# KiCad board panel.opm-lowside.kicad_pcb (continued)
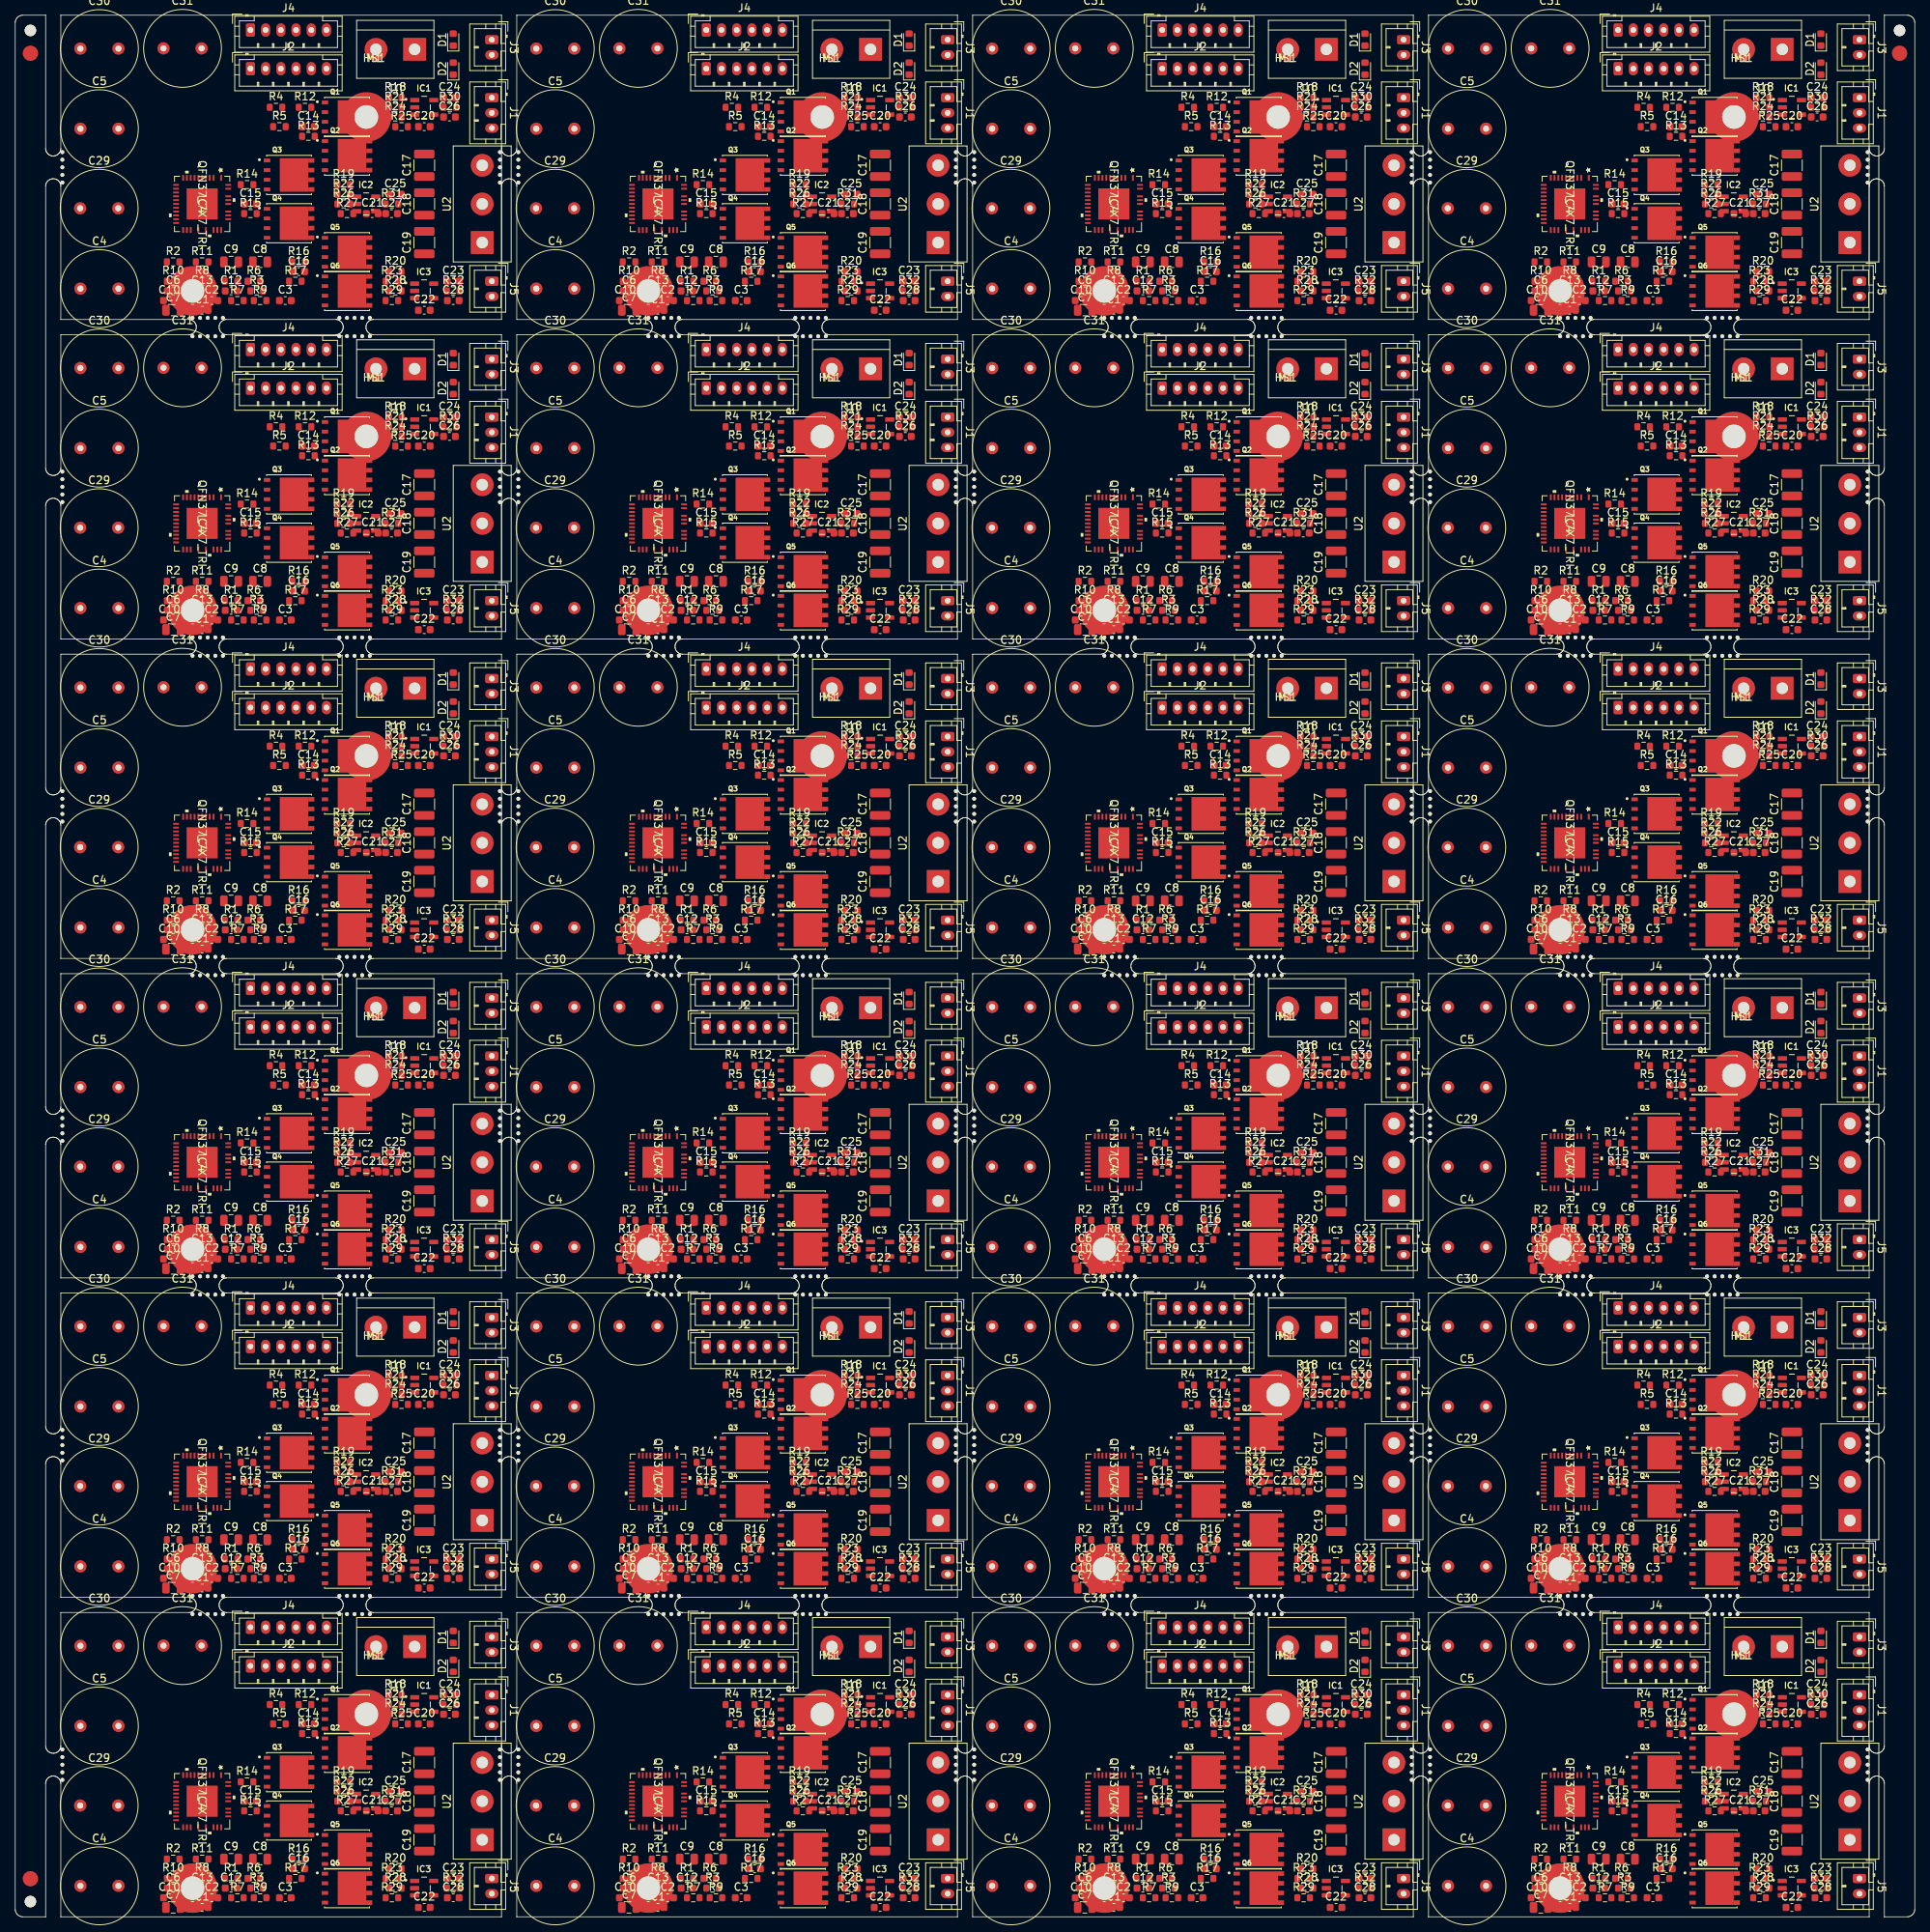
[diagram p0: board, top side]
## Placement (name value [footprint] x y rotation side) (continued)
HS1#23  Heatsink  [Heatsink_30x30mm_2xFixation3mm]  139.4 -0.04 0 top
HS1#24  Heatsink  [Heatsink_30x30mm_2xFixation3mm]  199.35 -0.04 0 top
IC1  INA180A3IDBVR  [SOT95P280X145-5N]  53.79 237.85 0 top
IC1#2  INA180A3IDBVR  [SOT95P280X145-5N]  113.74 237.85 0 top
IC1#3  INA180A3IDBVR  [SOT95P280X145-5N]  173.69 237.85 0 top
IC1#4  INA180A3IDBVR  [SOT95P280X145-5N]  233.64 237.85 0 top
IC1#5  INA180A3IDBVR  [SOT95P280X145-5N]  53.79 195.86 0 top
IC1#6  INA180A3IDBVR  [SOT95P280X145-5N]  113.74 195.86 0 top
IC1#7  INA180A3IDBVR  [SOT95P280X145-5N]  173.69 195.86 0 top
IC1#8  INA180A3IDBVR  [SOT95P280X145-5N]  233.64 195.86 0 top
IC1#9  INA180A3IDBVR  [SOT95P280X145-5N]  53.79 153.87 0 top
IC1#10  INA180A3IDBVR  [SOT95P280X145-5N]  113.74 153.87 0 top
IC1#11  INA180A3IDBVR  [SOT95P280X145-5N]  173.69 153.87 0 top
IC1#12  INA180A3IDBVR  [SOT95P280X145-5N]  233.64 153.87 0 top
IC1#13  INA180A3IDBVR  [SOT95P280X145-5N]  53.79 111.88 0 top
IC1#14  INA180A3IDBVR  [SOT95P280X145-5N]  113.74 111.88 0 top
IC1#15  INA180A3IDBVR  [SOT95P280X145-5N]  173.69 111.88 0 top
IC1#16  INA180A3IDBVR  [SOT95P280X145-5N]  233.64 111.88 0 top
IC1#17  INA180A3IDBVR  [SOT95P280X145-5N]  53.79 69.89 0 top
IC1#18  INA180A3IDBVR  [SOT95P280X145-5N]  113.74 69.89 0 top
IC1#19  INA180A3IDBVR  [SOT95P280X145-5N]  173.69 69.89 0 top
IC1#20  INA180A3IDBVR  [SOT95P280X145-5N]  233.64 69.89 0 top
IC1#21  INA180A3IDBVR  [SOT95P280X145-5N]  53.79 27.9 0 top
IC1#22  INA180A3IDBVR  [SOT95P280X145-5N]  113.74 27.9 0 top
IC1#23  INA180A3IDBVR  [SOT95P280X145-5N]  173.69 27.9 0 top
IC1#24  INA180A3IDBVR  [SOT95P280X145-5N]  233.64 27.9 0 top
IC2  INA180A3IDBVR  [SOT95P280X145-5N]  46.16 225.15 0 top
IC2#2  INA180A3IDBVR  [SOT95P280X145-5N]  106.11 225.15 0 top
IC2#3  INA180A3IDBVR  [SOT95P280X145-5N]  166.06 225.15 0 top
IC2#4  INA180A3IDBVR  [SOT95P280X145-5N]  226.01 225.15 0 top
IC2#5  INA180A3IDBVR  [SOT95P280X145-5N]  46.16 183.16 0 top
IC2#6  INA180A3IDBVR  [SOT95P280X145-5N]  106.11 183.16 0 top
IC2#7  INA180A3IDBVR  [SOT95P280X145-5N]  166.06 183.16 0 top
IC2#8  INA180A3IDBVR  [SOT95P280X145-5N]  226.01 183.16 0 top
IC2#9  INA180A3IDBVR  [SOT95P280X145-5N]  46.16 141.17 0 top
IC2#10  INA180A3IDBVR  [SOT95P280X145-5N]  106.11 141.17 0 top
IC2#11  INA180A3IDBVR  [SOT95P280X145-5N]  166.06 141.17 0 top
IC2#12  INA180A3IDBVR  [SOT95P280X145-5N]  226.01 141.17 0 top
IC2#13  INA180A3IDBVR  [SOT95P280X145-5N]  46.16 99.18 0 top
IC2#14  INA180A3IDBVR  [SOT95P280X145-5N]  106.11 99.18 0 top
IC2#15  INA180A3IDBVR  [SOT95P280X145-5N]  166.06 99.18 0 top
IC2#16  INA180A3IDBVR  [SOT95P280X145-5N]  226.01 99.18 0 top
IC2#17  INA180A3IDBVR  [SOT95P280X145-5N]  46.16 57.19 0 top
IC2#18  INA180A3IDBVR  [SOT95P280X145-5N]  106.11 57.19 0 top
IC2#19  INA180A3IDBVR  [SOT95P280X145-5N]  166.06 57.19 0 top
IC2#20  INA180A3IDBVR  [SOT95P280X145-5N]  226.01 57.19 0 top
IC2#21  INA180A3IDBVR  [SOT95P280X145-5N]  46.16 15.2 0 top
IC2#22  INA180A3IDBVR  [SOT95P280X145-5N]  106.11 15.2 0 top
IC2#23  INA180A3IDBVR  [SOT95P280X145-5N]  166.06 15.2 0 top
IC2#24  INA180A3IDBVR  [SOT95P280X145-5N]  226.01 15.2 0 top
IC3  INA180A3IDBVR  [SOT95P280X145-5N]  53.78 213.72 0 top
IC3#2  INA180A3IDBVR  [SOT95P280X145-5N]  113.73 213.72 0 top
IC3#3  INA180A3IDBVR  [SOT95P280X145-5N]  173.68 213.72 0 top
IC3#4  INA180A3IDBVR  [SOT95P280X145-5N]  233.63 213.72 0 top
IC3#5  INA180A3IDBVR  [SOT95P280X145-5N]  53.78 171.73 0 top
IC3#6  INA180A3IDBVR  [SOT95P280X145-5N]  113.73 171.73 0 top
IC3#7  INA180A3IDBVR  [SOT95P280X145-5N]  173.68 171.73 0 top
IC3#8  INA180A3IDBVR  [SOT95P280X145-5N]  233.63 171.73 0 top
IC3#9  INA180A3IDBVR  [SOT95P280X145-5N]  53.78 129.74 0 top
IC3#10  INA180A3IDBVR  [SOT95P280X145-5N]  113.73 129.74 0 top
IC3#11  INA180A3IDBVR  [SOT95P280X145-5N]  173.68 129.74 0 top
IC3#12  INA180A3IDBVR  [SOT95P280X145-5N]  233.63 129.74 0 top
IC3#13  INA180A3IDBVR  [SOT95P280X145-5N]  53.78 87.75 0 top
IC3#14  INA180A3IDBVR  [SOT95P280X145-5N]  113.73 87.75 0 top
IC3#15  INA180A3IDBVR  [SOT95P280X145-5N]  173.68 87.75 0 top
IC3#16  INA180A3IDBVR  [SOT95P280X145-5N]  233.63 87.75 0 top
IC3#17  INA180A3IDBVR  [SOT95P280X145-5N]  53.78 45.76 0 top
IC3#18  INA180A3IDBVR  [SOT95P280X145-5N]  113.73 45.76 0 top
IC3#19  INA180A3IDBVR  [SOT95P280X145-5N]  173.68 45.76 0 top
IC3#20  INA180A3IDBVR  [SOT95P280X145-5N]  233.63 45.76 0 top
IC3#21  INA180A3IDBVR  [SOT95P280X145-5N]  53.78 3.77 0 top
IC3#22  INA180A3IDBVR  [SOT95P280X145-5N]  113.73 3.77 0 top
IC3#23  INA180A3IDBVR  [SOT95P280X145-5N]  173.68 3.77 0 top
IC3#24  INA180A3IDBVR  [SOT95P280X145-5N]  233.63 3.77 0 top
IC4  QFN37_7X7_TRI  [TMC6100-LA]  24.58 225.15 270 top
IC4#2  QFN37_7X7_TRI  [TMC6100-LA]  84.53 225.15 270 top
IC4#3  QFN37_7X7_TRI  [TMC6100-LA]  144.48 225.15 270 top
IC4#4  QFN37_7X7_TRI  [TMC6100-LA]  204.43 225.15 270 top
IC4#5  QFN37_7X7_TRI  [TMC6100-LA]  24.58 183.16 270 top
IC4#6  QFN37_7X7_TRI  [TMC6100-LA]  84.53 183.16 270 top
IC4#7  QFN37_7X7_TRI  [TMC6100-LA]  144.48 183.16 270 top
IC4#8  QFN37_7X7_TRI  [TMC6100-LA]  204.43 183.16 270 top
IC4#9  QFN37_7X7_TRI  [TMC6100-LA]  24.58 141.17 270 top
IC4#10  QFN37_7X7_TRI  [TMC6100-LA]  84.53 141.17 270 top
IC4#11  QFN37_7X7_TRI  [TMC6100-LA]  144.48 141.17 270 top
IC4#12  QFN37_7X7_TRI  [TMC6100-LA]  204.43 141.17 270 top
IC4#13  QFN37_7X7_TRI  [TMC6100-LA]  24.58 99.18 270 top
IC4#14  QFN37_7X7_TRI  [TMC6100-LA]  84.53 99.18 270 top
IC4#15  QFN37_7X7_TRI  [TMC6100-LA]  144.48 99.18 270 top
IC4#16  QFN37_7X7_TRI  [TMC6100-LA]  204.43 99.18 270 top
IC4#17  QFN37_7X7_TRI  [TMC6100-LA]  24.58 57.19 270 top
IC4#18  QFN37_7X7_TRI  [TMC6100-LA]  84.53 57.19 270 top
IC4#19  QFN37_7X7_TRI  [TMC6100-LA]  144.48 57.19 270 top
IC4#20  QFN37_7X7_TRI  [TMC6100-LA]  204.43 57.19 270 top
IC4#21  QFN37_7X7_TRI  [TMC6100-LA]  24.58 15.2 270 top
IC4#22  QFN37_7X7_TRI  [TMC6100-LA]  84.53 15.2 270 top
IC4#23  QFN37_7X7_TRI  [TMC6100-LA]  144.48 15.2 270 top
IC4#24  QFN37_7X7_TRI  [TMC6100-LA]  204.43 15.2 270 top
J1  Current Sensing  [JST_PH_B3B-PH-K_1x03_P2.00mm_Vertical]  62.68 239.12 270 top
J1#2  Current Sensing  [JST_PH_B3B-PH-K_1x03_P2.00mm_Vertical]  122.63 239.12 270 top
J1#3  Current Sensing  [JST_PH_B3B-PH-K_1x03_P2.00mm_Vertical]  182.58 239.12 270 top
J1#4  Current Sensing  [JST_PH_B3B-PH-K_1x03_P2.00mm_Vertical]  242.53 239.12 270 top
J1#5  Current Sensing  [JST_PH_B3B-PH-K_1x03_P2.00mm_Vertical]  62.68 197.13 270 top
J1#6  Current Sensing  [JST_PH_B3B-PH-K_1x03_P2.00mm_Vertical]  122.63 197.13 270 top
J1#7  Current Sensing  [JST_PH_B3B-PH-K_1x03_P2.00mm_Vertical]  182.58 197.13 270 top
J1#8  Current Sensing  [JST_PH_B3B-PH-K_1x03_P2.00mm_Vertical]  242.53 197.13 270 top
J1#9  Current Sensing  [JST_PH_B3B-PH-K_1x03_P2.00mm_Vertical]  62.68 155.14 270 top
J1#10  Current Sensing  [JST_PH_B3B-PH-K_1x03_P2.00mm_Vertical]  122.63 155.14 270 top
J1#11  Current Sensing  [JST_PH_B3B-PH-K_1x03_P2.00mm_Vertical]  182.58 155.14 270 top
J1#12  Current Sensing  [JST_PH_B3B-PH-K_1x03_P2.00mm_Vertical]  242.53 155.14 270 top
J1#13  Current Sensing  [JST_PH_B3B-PH-K_1x03_P2.00mm_Vertical]  62.68 113.15 270 top
J1#14  Current Sensing  [JST_PH_B3B-PH-K_1x03_P2.00mm_Vertical]  122.63 113.15 270 top
J1#15  Current Sensing  [JST_PH_B3B-PH-K_1x03_P2.00mm_Vertical]  182.58 113.15 270 top
J1#16  Current Sensing  [JST_PH_B3B-PH-K_1x03_P2.00mm_Vertical]  242.53 113.15 270 top
J1#17  Current Sensing  [JST_PH_B3B-PH-K_1x03_P2.00mm_Vertical]  62.68 71.16 270 top
J1#18  Current Sensing  [JST_PH_B3B-PH-K_1x03_P2.00mm_Vertical]  122.63 71.16 270 top
J1#19  Current Sensing  [JST_PH_B3B-PH-K_1x03_P2.00mm_Vertical]  182.58 71.16 270 top
J1#20  Current Sensing  [JST_PH_B3B-PH-K_1x03_P2.00mm_Vertical]  242.53 71.16 270 top
J1#21  Current Sensing  [JST_PH_B3B-PH-K_1x03_P2.00mm_Vertical]  62.68 29.17 270 top
J1#22  Current Sensing  [JST_PH_B3B-PH-K_1x03_P2.00mm_Vertical]  122.63 29.17 270 top
J1#23  Current Sensing  [JST_PH_B3B-PH-K_1x03_P2.00mm_Vertical]  182.58 29.17 270 top
J1#24  Current Sensing  [JST_PH_B3B-PH-K_1x03_P2.00mm_Vertical]  242.53 29.17 270 top
J2  SPI/Info  [JST_PH_B6B-PH-K_1x06_P2.00mm_Vertical]  30.93 242.93 0 top
J2#2  SPI/Info  [JST_PH_B6B-PH-K_1x06_P2.00mm_Vertical]  90.88 242.93 0 top
J2#3  SPI/Info  [JST_PH_B6B-PH-K_1x06_P2.00mm_Vertical]  150.83 242.93 0 top
J2#4  SPI/Info  [JST_PH_B6B-PH-K_1x06_P2.00mm_Vertical]  210.78 242.93 0 top
J2#5  SPI/Info  [JST_PH_B6B-PH-K_1x06_P2.00mm_Vertical]  30.93 200.94 0 top
J2#6  SPI/Info  [JST_PH_B6B-PH-K_1x06_P2.00mm_Vertical]  90.88 200.94 0 top
J2#7  SPI/Info  [JST_PH_B6B-PH-K_1x06_P2.00mm_Vertical]  150.83 200.94 0 top
J2#8  SPI/Info  [JST_PH_B6B-PH-K_1x06_P2.00mm_Vertical]  210.78 200.94 0 top
J2#9  SPI/Info  [JST_PH_B6B-PH-K_1x06_P2.00mm_Vertical]  30.93 158.95 0 top
J2#10  SPI/Info  [JST_PH_B6B-PH-K_1x06_P2.00mm_Vertical]  90.88 158.95 0 top
J2#11  SPI/Info  [JST_PH_B6B-PH-K_1x06_P2.00mm_Vertical]  150.83 158.95 0 top
J2#12  SPI/Info  [JST_PH_B6B-PH-K_1x06_P2.00mm_Vertical]  210.78 158.95 0 top
J2#13  SPI/Info  [JST_PH_B6B-PH-K_1x06_P2.00mm_Vertical]  30.93 116.96 0 top
J2#14  SPI/Info  [JST_PH_B6B-PH-K_1x06_P2.00mm_Vertical]  90.88 116.96 0 top
J2#15  SPI/Info  [JST_PH_B6B-PH-K_1x06_P2.00mm_Vertical]  150.83 116.96 0 top
J2#16  SPI/Info  [JST_PH_B6B-PH-K_1x06_P2.00mm_Vertical]  210.78 116.96 0 top
J2#17  SPI/Info  [JST_PH_B6B-PH-K_1x06_P2.00mm_Vertical]  30.93 74.97 0 top
J2#18  SPI/Info  [JST_PH_B6B-PH-K_1x06_P2.00mm_Vertical]  90.88 74.97 0 top
J2#19  SPI/Info  [JST_PH_B6B-PH-K_1x06_P2.00mm_Vertical]  150.83 74.97 0 top
J2#20  SPI/Info  [JST_PH_B6B-PH-K_1x06_P2.00mm_Vertical]  210.78 74.97 0 top
J2#21  SPI/Info  [JST_PH_B6B-PH-K_1x06_P2.00mm_Vertical]  30.93 32.98 0 top
J2#22  SPI/Info  [JST_PH_B6B-PH-K_1x06_P2.00mm_Vertical]  90.88 32.98 0 top
J2#23  SPI/Info  [JST_PH_B6B-PH-K_1x06_P2.00mm_Vertical]  150.83 32.98 0 top
J2#24  SPI/Info  [JST_PH_B6B-PH-K_1x06_P2.00mm_Vertical]  210.78 32.98 0 top
J3  VCC_IO  [JST_PH_B2B-PH-K_1x02_P2.00mm_Vertical]  62.68 246.74 270 top
J3#2  VCC_IO  [JST_PH_B2B-PH-K_1x02_P2.00mm_Vertical]  122.63 246.74 270 top
J3#3  VCC_IO  [JST_PH_B2B-PH-K_1x02_P2.00mm_Vertical]  182.58 246.74 270 top
J3#4  VCC_IO  [JST_PH_B2B-PH-K_1x02_P2.00mm_Vertical]  242.53 246.74 270 top
J3#5  VCC_IO  [JST_PH_B2B-PH-K_1x02_P2.00mm_Vertical]  62.68 204.75 270 top
J3#6  VCC_IO  [JST_PH_B2B-PH-K_1x02_P2.00mm_Vertical]  122.63 204.75 270 top
J3#7  VCC_IO  [JST_PH_B2B-PH-K_1x02_P2.00mm_Vertical]  182.58 204.75 270 top
J3#8  VCC_IO  [JST_PH_B2B-PH-K_1x02_P2.00mm_Vertical]  242.53 204.75 270 top
J3#9  VCC_IO  [JST_PH_B2B-PH-K_1x02_P2.00mm_Vertical]  62.68 162.76 270 top
J3#10  VCC_IO  [JST_PH_B2B-PH-K_1x02_P2.00mm_Vertical]  122.63 162.76 270 top
J3#11  VCC_IO  [JST_PH_B2B-PH-K_1x02_P2.00mm_Vertical]  182.58 162.76 270 top
J3#12  VCC_IO  [JST_PH_B2B-PH-K_1x02_P2.00mm_Vertical]  242.53 162.76 270 top
J3#13  VCC_IO  [JST_PH_B2B-PH-K_1x02_P2.00mm_Vertical]  62.68 120.77 270 top
J3#14  VCC_IO  [JST_PH_B2B-PH-K_1x02_P2.00mm_Vertical]  122.63 120.77 270 top
J3#15  VCC_IO  [JST_PH_B2B-PH-K_1x02_P2.00mm_Vertical]  182.58 120.77 270 top
J3#16  VCC_IO  [JST_PH_B2B-PH-K_1x02_P2.00mm_Vertical]  242.53 120.77 270 top
J3#17  VCC_IO  [JST_PH_B2B-PH-K_1x02_P2.00mm_Vertical]  62.68 78.78 270 top
J3#18  VCC_IO  [JST_PH_B2B-PH-K_1x02_P2.00mm_Vertical]  122.63 78.78 270 top
J3#19  VCC_IO  [JST_PH_B2B-PH-K_1x02_P2.00mm_Vertical]  182.58 78.78 270 top
J3#20  VCC_IO  [JST_PH_B2B-PH-K_1x02_P2.00mm_Vertical]  242.53 78.78 270 top
J3#21  VCC_IO  [JST_PH_B2B-PH-K_1x02_P2.00mm_Vertical]  62.68 36.79 270 top
J3#22  VCC_IO  [JST_PH_B2B-PH-K_1x02_P2.00mm_Vertical]  122.63 36.79 270 top
J3#23  VCC_IO  [JST_PH_B2B-PH-K_1x02_P2.00mm_Vertical]  182.58 36.79 270 top
J3#24  VCC_IO  [JST_PH_B2B-PH-K_1x02_P2.00mm_Vertical]  242.53 36.79 270 top
J4  PWMx6  [JST_PH_B6B-PH-K_1x06_P2.00mm_Vertical]  30.93 248.01 0 top
J4#2  PWMx6  [JST_PH_B6B-PH-K_1x06_P2.00mm_Vertical]  90.88 248.01 0 top
J4#3  PWMx6  [JST_PH_B6B-PH-K_1x06_P2.00mm_Vertical]  150.83 248.01 0 top
J4#4  PWMx6  [JST_PH_B6B-PH-K_1x06_P2.00mm_Vertical]  210.78 248.01 0 top
J4#5  PWMx6  [JST_PH_B6B-PH-K_1x06_P2.00mm_Vertical]  30.93 206.02 0 top
J4#6  PWMx6  [JST_PH_B6B-PH-K_1x06_P2.00mm_Vertical]  90.88 206.02 0 top
J4#7  PWMx6  [JST_PH_B6B-PH-K_1x06_P2.00mm_Vertical]  150.83 206.02 0 top
J4#8  PWMx6  [JST_PH_B6B-PH-K_1x06_P2.00mm_Vertical]  210.78 206.02 0 top
J4#9  PWMx6  [JST_PH_B6B-PH-K_1x06_P2.00mm_Vertical]  30.93 164.03 0 top
J4#10  PWMx6  [JST_PH_B6B-PH-K_1x06_P2.00mm_Vertical]  90.88 164.03 0 top
J4#11  PWMx6  [JST_PH_B6B-PH-K_1x06_P2.00mm_Vertical]  150.83 164.03 0 top
J4#12  PWMx6  [JST_PH_B6B-PH-K_1x06_P2.00mm_Vertical]  210.78 164.03 0 top
J4#13  PWMx6  [JST_PH_B6B-PH-K_1x06_P2.00mm_Vertical]  30.93 122.04 0 top
J4#14  PWMx6  [JST_PH_B6B-PH-K_1x06_P2.00mm_Vertical]  90.88 122.04 0 top
J4#15  PWMx6  [JST_PH_B6B-PH-K_1x06_P2.00mm_Vertical]  150.83 122.04 0 top
J4#16  PWMx6  [JST_PH_B6B-PH-K_1x06_P2.00mm_Vertical]  210.78 122.04 0 top
J4#17  PWMx6  [JST_PH_B6B-PH-K_1x06_P2.00mm_Vertical]  30.93 80.05 0 top
J4#18  PWMx6  [JST_PH_B6B-PH-K_1x06_P2.00mm_Vertical]  90.88 80.05 0 top
J4#19  PWMx6  [JST_PH_B6B-PH-K_1x06_P2.00mm_Vertical]  150.83 80.05 0 top
J4#20  PWMx6  [JST_PH_B6B-PH-K_1x06_P2.00mm_Vertical]  210.78 80.05 0 top
J4#21  PWMx6  [JST_PH_B6B-PH-K_1x06_P2.00mm_Vertical]  30.93 38.06 0 top
J4#22  PWMx6  [JST_PH_B6B-PH-K_1x06_P2.00mm_Vertical]  90.88 38.06 0 top
J4#23  PWMx6  [JST_PH_B6B-PH-K_1x06_P2.00mm_Vertical]  150.83 38.06 0 top
J4#24  PWMx6  [JST_PH_B6B-PH-K_1x06_P2.00mm_Vertical]  210.78 38.06 0 top
J5  Temperature  [JST_PH_B2B-PH-K_1x02_P2.00mm_Vertical]  62.68 214.99 270 top
J5#2  Temperature  [JST_PH_B2B-PH-K_1x02_P2.00mm_Vertical]  122.63 214.99 270 top
J5#3  Temperature  [JST_PH_B2B-PH-K_1x02_P2.00mm_Vertical]  182.58 214.99 270 top
J5#4  Temperature  [JST_PH_B2B-PH-K_1x02_P2.00mm_Vertical]  242.53 214.99 270 top
J5#5  Temperature  [JST_PH_B2B-PH-K_1x02_P2.00mm_Vertical]  62.68 173 270 top
J5#6  Temperature  [JST_PH_B2B-PH-K_1x02_P2.00mm_Vertical]  122.63 173 270 top
J5#7  Temperature  [JST_PH_B2B-PH-K_1x02_P2.00mm_Vertical]  182.58 173 270 top
J5#8  Temperature  [JST_PH_B2B-PH-K_1x02_P2.00mm_Vertical]  242.53 173 270 top
J5#9  Temperature  [JST_PH_B2B-PH-K_1x02_P2.00mm_Vertical]  62.68 131.01 270 top
J5#10  Temperature  [JST_PH_B2B-PH-K_1x02_P2.00mm_Vertical]  122.63 131.01 270 top
J5#11  Temperature  [JST_PH_B2B-PH-K_1x02_P2.00mm_Vertical]  182.58 131.01 270 top
J5#12  Temperature  [JST_PH_B2B-PH-K_1x02_P2.00mm_Vertical]  242.53 131.01 270 top
J5#13  Temperature  [JST_PH_B2B-PH-K_1x02_P2.00mm_Vertical]  62.68 89.02 270 top
J5#14  Temperature  [JST_PH_B2B-PH-K_1x02_P2.00mm_Vertical]  122.63 89.02 270 top
J5#15  Temperature  [JST_PH_B2B-PH-K_1x02_P2.00mm_Vertical]  182.58 89.02 270 top
J5#16  Temperature  [JST_PH_B2B-PH-K_1x02_P2.00mm_Vertical]  242.53 89.02 270 top
J5#17  Temperature  [JST_PH_B2B-PH-K_1x02_P2.00mm_Vertical]  62.68 47.03 270 top
J5#18  Temperature  [JST_PH_B2B-PH-K_1x02_P2.00mm_Vertical]  122.63 47.03 270 top
J5#19  Temperature  [JST_PH_B2B-PH-K_1x02_P2.00mm_Vertical]  182.58 47.03 270 top
J5#20  Temperature  [JST_PH_B2B-PH-K_1x02_P2.00mm_Vertical]  242.53 47.03 270 top
J5#21  Temperature  [JST_PH_B2B-PH-K_1x02_P2.00mm_Vertical]  62.68 5.04 270 top
J5#22  Temperature  [JST_PH_B2B-PH-K_1x02_P2.00mm_Vertical]  122.63 5.04 270 top
J5#23  Temperature  [JST_PH_B2B-PH-K_1x02_P2.00mm_Vertical]  182.58 5.04 270 top
J5#24  Temperature  [JST_PH_B2B-PH-K_1x02_P2.00mm_Vertical]  242.53 5.04 270 top
M1  Fan  [Fan_3010]  19.5 209.91 0 top
M1#2  Fan  [Fan_3010]  79.45 209.91 0 top
M1#3  Fan  [Fan_3010]  139.4 209.91 0 top
M1#4  Fan  [Fan_3010]  199.35 209.91 0 top
M1#5  Fan  [Fan_3010]  19.5 167.92 0 top
M1#6  Fan  [Fan_3010]  79.45 167.92 0 top
M1#7  Fan  [Fan_3010]  139.4 167.92 0 top
M1#8  Fan  [Fan_3010]  199.35 167.92 0 top
M1#9  Fan  [Fan_3010]  19.5 125.93 0 top
M1#10  Fan  [Fan_3010]  79.45 125.93 0 top
M1#11  Fan  [Fan_3010]  139.4 125.93 0 top
M1#12  Fan  [Fan_3010]  199.35 125.93 0 top
M1#13  Fan  [Fan_3010]  19.5 83.94 0 top
M1#14  Fan  [Fan_3010]  79.45 83.94 0 top
M1#15  Fan  [Fan_3010]  139.4 83.94 0 top
M1#16  Fan  [Fan_3010]  199.35 83.94 0 top
M1#17  Fan  [Fan_3010]  19.5 41.95 0 top
M1#18  Fan  [Fan_3010]  79.45 41.95 0 top
M1#19  Fan  [Fan_3010]  139.4 41.95 0 top
M1#20  Fan  [Fan_3010]  199.35 41.95 0 top
M1#21  Fan  [Fan_3010]  19.5 -0.04 0 top
M1#22  Fan  [Fan_3010]  79.45 -0.04 0 top
M1#23  Fan  [Fan_3010]  139.4 -0.04 0 top
M1#24  Fan  [Fan_3010]  199.35 -0.04 0 top
Q1  HYG025N06LS1C2  [PDFN-8]  43.63 236.58 0 top
Q1#2  HYG025N06LS1C2  [PDFN-8]  103.58 236.58 0 top
Q1#3  HYG025N06LS1C2  [PDFN-8]  163.53 236.58 0 top
Q1#4  HYG025N06LS1C2  [PDFN-8]  223.48 236.58 0 top
Q1#5  HYG025N06LS1C2  [PDFN-8]  43.63 194.59 0 top
Q1#6  HYG025N06LS1C2  [PDFN-8]  103.58 194.59 0 top
Q1#7  HYG025N06LS1C2  [PDFN-8]  163.53 194.59 0 top
Q1#8  HYG025N06LS1C2  [PDFN-8]  223.48 194.59 0 top
Q1#9  HYG025N06LS1C2  [PDFN-8]  43.63 152.6 0 top
Q1#10  HYG025N06LS1C2  [PDFN-8]  103.58 152.6 0 top
Q1#11  HYG025N06LS1C2  [PDFN-8]  163.53 152.6 0 top
Q1#12  HYG025N06LS1C2  [PDFN-8]  223.48 152.6 0 top
Q1#13  HYG025N06LS1C2  [PDFN-8]  43.63 110.61 0 top
Q1#14  HYG025N06LS1C2  [PDFN-8]  103.58 110.61 0 top
Q1#15  HYG025N06LS1C2  [PDFN-8]  163.53 110.61 0 top
Q1#16  HYG025N06LS1C2  [PDFN-8]  223.48 110.61 0 top
Q1#17  HYG025N06LS1C2  [PDFN-8]  43.63 68.62 0 top
Q1#18  HYG025N06LS1C2  [PDFN-8]  103.58 68.62 0 top
Q1#19  HYG025N06LS1C2  [PDFN-8]  163.53 68.62 0 top
Q1#20  HYG025N06LS1C2  [PDFN-8]  223.48 68.62 0 top
Q1#21  HYG025N06LS1C2  [PDFN-8]  43.63 26.63 0 top
Q1#22  HYG025N06LS1C2  [PDFN-8]  103.58 26.63 0 top
Q1#23  HYG025N06LS1C2  [PDFN-8]  163.53 26.63 0 top
Q1#24  HYG025N06LS1C2  [PDFN-8]  223.48 26.63 0 top
Q2  HYG025N06LS1C2  [PDFN-8]  43.63 231.5 0 top
Q2#2  HYG025N06LS1C2  [PDFN-8]  103.58 231.5 0 top
Q2#3  HYG025N06LS1C2  [PDFN-8]  163.53 231.5 0 top
Q2#4  HYG025N06LS1C2  [PDFN-8]  223.48 231.5 0 top
Q2#5  HYG025N06LS1C2  [PDFN-8]  43.63 189.51 0 top
Q2#6  HYG025N06LS1C2  [PDFN-8]  103.58 189.51 0 top
Q2#7  HYG025N06LS1C2  [PDFN-8]  163.53 189.51 0 top
Q2#8  HYG025N06LS1C2  [PDFN-8]  223.48 189.51 0 top
Q2#9  HYG025N06LS1C2  [PDFN-8]  43.63 147.52 0 top
Q2#10  HYG025N06LS1C2  [PDFN-8]  103.58 147.52 0 top
Q2#11  HYG025N06LS1C2  [PDFN-8]  163.53 147.52 0 top
Q2#12  HYG025N06LS1C2  [PDFN-8]  223.48 147.52 0 top
Q2#13  HYG025N06LS1C2  [PDFN-8]  43.63 105.53 0 top
Q2#14  HYG025N06LS1C2  [PDFN-8]  103.58 105.53 0 top
Q2#15  HYG025N06LS1C2  [PDFN-8]  163.53 105.53 0 top
Q2#16  HYG025N06LS1C2  [PDFN-8]  223.48 105.53 0 top
Q2#17  HYG025N06LS1C2  [PDFN-8]  43.63 63.54 0 top
Q2#18  HYG025N06LS1C2  [PDFN-8]  103.58 63.54 0 top
Q2#19  HYG025N06LS1C2  [PDFN-8]  163.53 63.54 0 top
Q2#20  HYG025N06LS1C2  [PDFN-8]  223.48 63.54 0 top
Q2#21  HYG025N06LS1C2  [PDFN-8]  43.63 21.55 0 top
Q2#22  HYG025N06LS1C2  [PDFN-8]  103.58 21.55 0 top
Q2#23  HYG025N06LS1C2  [PDFN-8]  163.53 21.55 0 top
Q2#24  HYG025N06LS1C2  [PDFN-8]  223.48 21.55 0 top
Q3  HYG025N06LS1C2  [PDFN-8]  36.01 228.96 0 top
Q3#2  HYG025N06LS1C2  [PDFN-8]  95.96 228.96 0 top
Q3#3  HYG025N06LS1C2  [PDFN-8]  155.91 228.96 0 top
Q3#4  HYG025N06LS1C2  [PDFN-8]  215.86 228.96 0 top
Q3#5  HYG025N06LS1C2  [PDFN-8]  36.01 186.97 0 top
Q3#6  HYG025N06LS1C2  [PDFN-8]  95.96 186.97 0 top
Q3#7  HYG025N06LS1C2  [PDFN-8]  155.91 186.97 0 top
Q3#8  HYG025N06LS1C2  [PDFN-8]  215.86 186.97 0 top
Q3#9  HYG025N06LS1C2  [PDFN-8]  36.01 144.98 0 top
Q3#10  HYG025N06LS1C2  [PDFN-8]  95.96 144.98 0 top
Q3#11  HYG025N06LS1C2  [PDFN-8]  155.91 144.98 0 top
Q3#12  HYG025N06LS1C2  [PDFN-8]  215.86 144.98 0 top
Q3#13  HYG025N06LS1C2  [PDFN-8]  36.01 102.99 0 top
Q3#14  HYG025N06LS1C2  [PDFN-8]  95.96 102.99 0 top
Q3#15  HYG025N06LS1C2  [PDFN-8]  155.91 102.99 0 top
Q3#16  HYG025N06LS1C2  [PDFN-8]  215.86 102.99 0 top
Q3#17  HYG025N06LS1C2  [PDFN-8]  36.01 61 0 top
Q3#18  HYG025N06LS1C2  [PDFN-8]  95.96 61 0 top
Q3#19  HYG025N06LS1C2  [PDFN-8]  155.91 61 0 top
Q3#20  HYG025N06LS1C2  [PDFN-8]  215.86 61 0 top
Q3#21  HYG025N06LS1C2  [PDFN-8]  36.01 19.01 0 top
Q3#22  HYG025N06LS1C2  [PDFN-8]  95.96 19.01 0 top
Q3#23  HYG025N06LS1C2  [PDFN-8]  155.91 19.01 0 top
Q3#24  HYG025N06LS1C2  [PDFN-8]  215.86 19.01 0 top
Q4  HYG025N06LS1C2  [PDFN-8]  36.01 222.61 0 top
Q4#2  HYG025N06LS1C2  [PDFN-8]  95.96 222.61 0 top
Q4#3  HYG025N06LS1C2  [PDFN-8]  155.91 222.61 0 top
Q4#4  HYG025N06LS1C2  [PDFN-8]  215.86 222.61 0 top
Q4#5  HYG025N06LS1C2  [PDFN-8]  36.01 180.62 0 top
Q4#6  HYG025N06LS1C2  [PDFN-8]  95.96 180.62 0 top
Q4#7  HYG025N06LS1C2  [PDFN-8]  155.91 180.62 0 top
Q4#8  HYG025N06LS1C2  [PDFN-8]  215.86 180.62 0 top
Q4#9  HYG025N06LS1C2  [PDFN-8]  36.01 138.63 0 top
Q4#10  HYG025N06LS1C2  [PDFN-8]  95.96 138.63 0 top
Q4#11  HYG025N06LS1C2  [PDFN-8]  155.91 138.63 0 top
Q4#12  HYG025N06LS1C2  [PDFN-8]  215.86 138.63 0 top
Q4#13  HYG025N06LS1C2  [PDFN-8]  36.01 96.64 0 top
Q4#14  HYG025N06LS1C2  [PDFN-8]  95.96 96.64 0 top
Q4#15  HYG025N06LS1C2  [PDFN-8]  155.91 96.64 0 top
Q4#16  HYG025N06LS1C2  [PDFN-8]  215.86 96.64 0 top
Q4#17  HYG025N06LS1C2  [PDFN-8]  36.01 54.65 0 top
Q4#18  HYG025N06LS1C2  [PDFN-8]  95.96 54.65 0 top
Q4#19  HYG025N06LS1C2  [PDFN-8]  155.91 54.65 0 top
Q4#20  HYG025N06LS1C2  [PDFN-8]  215.86 54.65 0 top
Q4#21  HYG025N06LS1C2  [PDFN-8]  36.01 12.66 0 top
Q4#22  HYG025N06LS1C2  [PDFN-8]  95.96 12.66 0 top
Q4#23  HYG025N06LS1C2  [PDFN-8]  155.91 12.66 0 top
Q4#24  HYG025N06LS1C2  [PDFN-8]  215.86 12.66 0 top
Q5  HYG025N06LS1C2  [PDFN-8]  43.63 218.8 0 top
Q5#2  HYG025N06LS1C2  [PDFN-8]  103.58 218.8 0 top
Q5#3  HYG025N06LS1C2  [PDFN-8]  163.53 218.8 0 top
Q5#4  HYG025N06LS1C2  [PDFN-8]  223.48 218.8 0 top
Q5#5  HYG025N06LS1C2  [PDFN-8]  43.63 176.81 0 top
Q5#6  HYG025N06LS1C2  [PDFN-8]  103.58 176.81 0 top
Q5#7  HYG025N06LS1C2  [PDFN-8]  163.53 176.81 0 top
Q5#8  HYG025N06LS1C2  [PDFN-8]  223.48 176.81 0 top
Q5#9  HYG025N06LS1C2  [PDFN-8]  43.63 134.82 0 top
Q5#10  HYG025N06LS1C2  [PDFN-8]  103.58 134.82 0 top
Q5#11  HYG025N06LS1C2  [PDFN-8]  163.53 134.82 0 top
Q5#12  HYG025N06LS1C2  [PDFN-8]  223.48 134.82 0 top
Q5#13  HYG025N06LS1C2  [PDFN-8]  43.63 92.83 0 top
Q5#14  HYG025N06LS1C2  [PDFN-8]  103.58 92.83 0 top
Q5#15  HYG025N06LS1C2  [PDFN-8]  163.53 92.83 0 top
Q5#16  HYG025N06LS1C2  [PDFN-8]  223.48 92.83 0 top
Q5#17  HYG025N06LS1C2  [PDFN-8]  43.63 50.84 0 top
Q5#18  HYG025N06LS1C2  [PDFN-8]  103.58 50.84 0 top
Q5#19  HYG025N06LS1C2  [PDFN-8]  163.53 50.84 0 top
Q5#20  HYG025N06LS1C2  [PDFN-8]  223.48 50.84 0 top
Q5#21  HYG025N06LS1C2  [PDFN-8]  43.63 8.85 0 top
Q5#22  HYG025N06LS1C2  [PDFN-8]  103.58 8.85 0 top
Q5#23  HYG025N06LS1C2  [PDFN-8]  163.53 8.85 0 top
Q5#24  HYG025N06LS1C2  [PDFN-8]  223.48 8.85 0 top
Q6  HYG025N06LS1C2  [PDFN-8]  43.63 213.72 0 top
Q6#2  HYG025N06LS1C2  [PDFN-8]  103.58 213.72 0 top
Q6#3  HYG025N06LS1C2  [PDFN-8]  163.53 213.72 0 top
Q6#4  HYG025N06LS1C2  [PDFN-8]  223.48 213.72 0 top
Q6#5  HYG025N06LS1C2  [PDFN-8]  43.63 171.73 0 top
Q6#6  HYG025N06LS1C2  [PDFN-8]  103.58 171.73 0 top
Q6#7  HYG025N06LS1C2  [PDFN-8]  163.53 171.73 0 top
Q6#8  HYG025N06LS1C2  [PDFN-8]  223.48 171.73 0 top
Q6#9  HYG025N06LS1C2  [PDFN-8]  43.63 129.74 0 top
Q6#10  HYG025N06LS1C2  [PDFN-8]  103.58 129.74 0 top
Q6#11  HYG025N06LS1C2  [PDFN-8]  163.53 129.74 0 top
Q6#12  HYG025N06LS1C2  [PDFN-8]  223.48 129.74 0 top
Q6#13  HYG025N06LS1C2  [PDFN-8]  43.63 87.75 0 top
Q6#14  HYG025N06LS1C2  [PDFN-8]  103.58 87.75 0 top
Q6#15  HYG025N06LS1C2  [PDFN-8]  163.53 87.75 0 top
Q6#16  HYG025N06LS1C2  [PDFN-8]  223.48 87.75 0 top
Q6#17  HYG025N06LS1C2  [PDFN-8]  43.63 45.76 0 top
Q6#18  HYG025N06LS1C2  [PDFN-8]  103.58 45.76 0 top
Q6#19  HYG025N06LS1C2  [PDFN-8]  163.53 45.76 0 top
Q6#20  HYG025N06LS1C2  [PDFN-8]  223.48 45.76 0 top
Q6#21  HYG025N06LS1C2  [PDFN-8]  43.63 3.77 0 top
Q6#22  HYG025N06LS1C2  [PDFN-8]  103.58 3.77 0 top
Q6#23  HYG025N06LS1C2  [PDFN-8]  163.53 3.77 0 top
Q6#24  HYG025N06LS1C2  [PDFN-8]  223.48 3.77 0 top
R1  10000R/1%  [R_0603_1608Metric]  28.39 214.99 0 top
R1#2  10000R/1%  [R_0603_1608Metric]  88.34 214.99 0 top
R1#3  10000R/1%  [R_0603_1608Metric]  148.29 214.99 0 top
R1#4  10000R/1%  [R_0603_1608Metric]  208.24 214.99 0 top
R1#5  10000R/1%  [R_0603_1608Metric]  28.39 173 0 top
R1#6  10000R/1%  [R_0603_1608Metric]  88.34 173 0 top
R1#7  10000R/1%  [R_0603_1608Metric]  148.29 173 0 top
R1#8  10000R/1%  [R_0603_1608Metric]  208.24 173 0 top
R1#9  10000R/1%  [R_0603_1608Metric]  28.39 131.01 0 top
R1#10  10000R/1%  [R_0603_1608Metric]  88.34 131.01 0 top
R1#11  10000R/1%  [R_0603_1608Metric]  148.29 131.01 0 top
R1#12  10000R/1%  [R_0603_1608Metric]  208.24 131.01 0 top
R1#13  10000R/1%  [R_0603_1608Metric]  28.39 89.02 0 top
R1#14  10000R/1%  [R_0603_1608Metric]  88.34 89.02 0 top
R1#15  10000R/1%  [R_0603_1608Metric]  148.29 89.02 0 top
R1#16  10000R/1%  [R_0603_1608Metric]  208.24 89.02 0 top
R1#17  10000R/1%  [R_0603_1608Metric]  28.39 47.03 0 top
R1#18  10000R/1%  [R_0603_1608Metric]  88.34 47.03 0 top